# KiCad board ENV_KB_RP2040.kicad_pcb (continued)
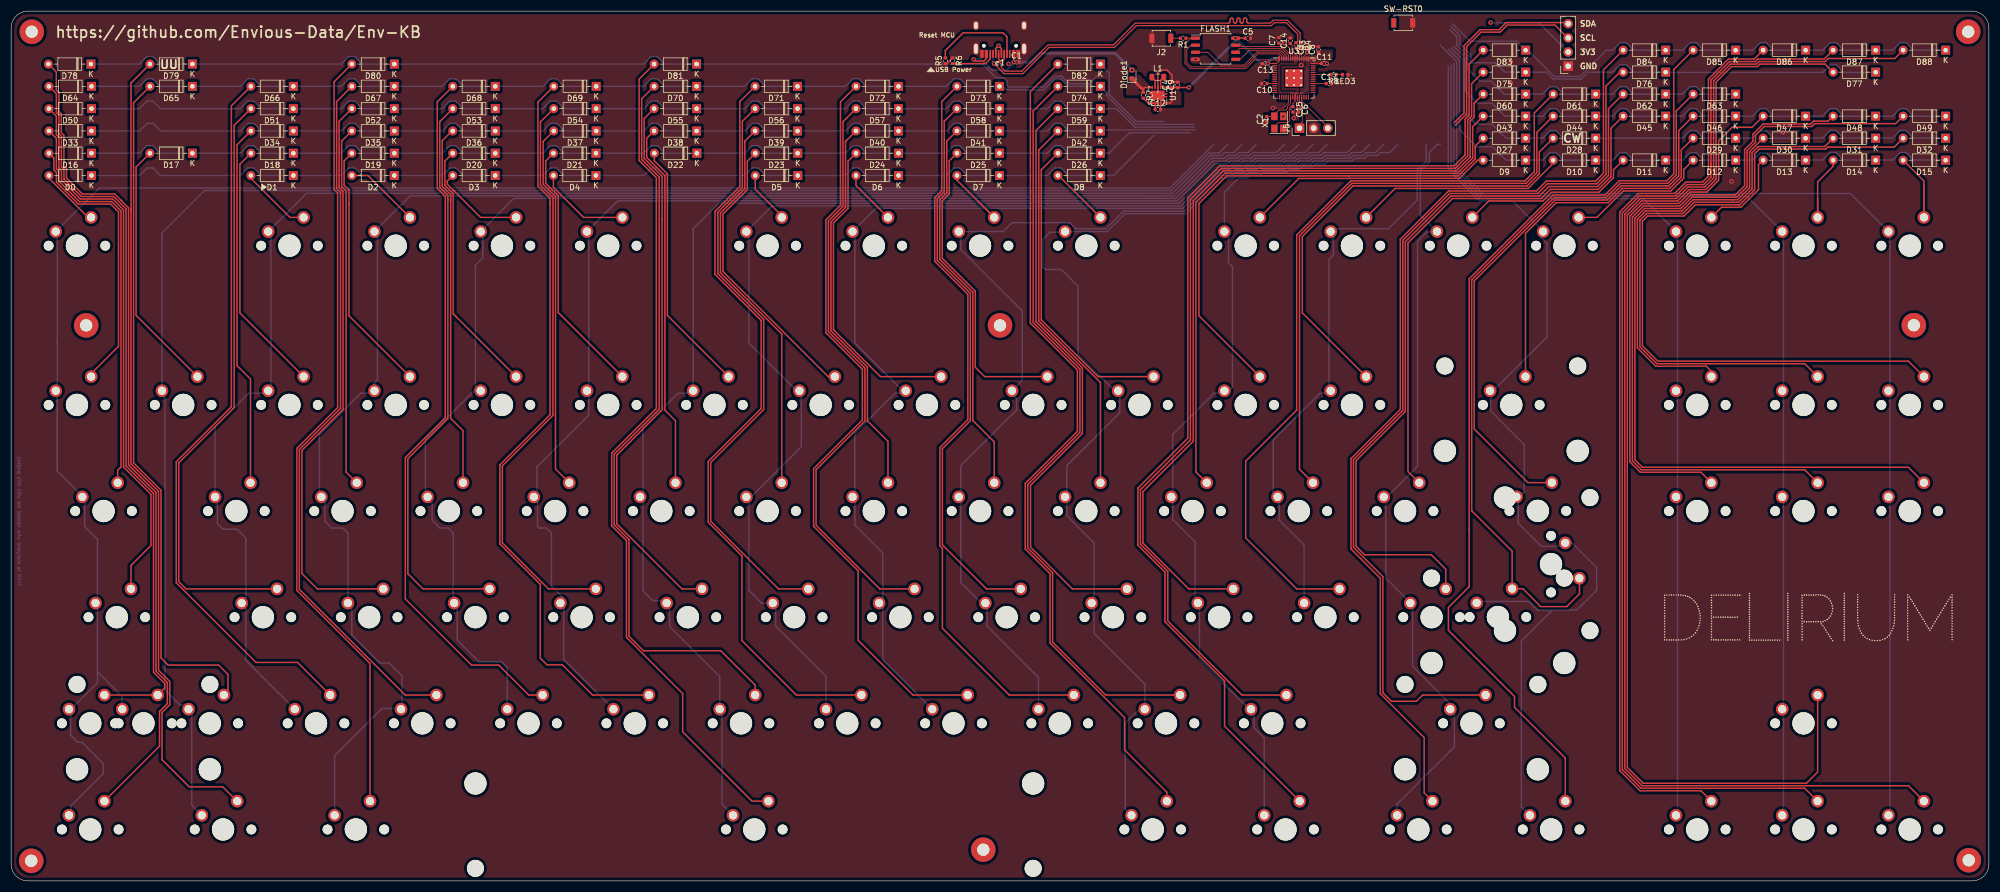
[diagram p0: board, top side]
## Nets (continued)
Net-(D19-Pad2): D19.2 K_19.2
Net-(D20-Pad2): D20.2 K_20.2
Net-(D21-Pad2): D21.2 K_21.2
Net-(D22-Pad2): D22.2 K_22.2
Net-(D23-Pad2): D23.2 K_23.2
Net-(D24-Pad2): D24.2 K_24.2
Net-(D25-Pad2): D25.2 K_25.2
Net-(D26-Pad2): D26.2 K_26.2
Net-(D27-Pad2): D27.2 K_27.2
Net-(D28-Pad2): D28.2 K_28.2
Net-(D29-Pad2): D29.2 K_29.2
Net-(D30-Pad2): D30.2 K_30.2
Net-(D31-Pad2): D31.2 K_31.2
Net-(D32-Pad2): D32.2 K_32.2
Net-(D33-Pad2): D33.2 K_33.2
Net-(D34-Pad2): D34.2 K_34.2
Net-(D35-Pad2): D35.2 K_35.2
Net-(D36-Pad2): D36.2 K_36.2
Net-(D37-Pad2): D37.2 K_37.2
Net-(D38-Pad2): D38.2 K_38.2
Net-(D39-Pad2): D39.2 K_39.2
Net-(D40-Pad2): D40.2 K_40.2
Net-(D41-Pad2): D41.2 K_41.2
Net-(D42-Pad2): D42.2 K_42.2
Net-(D43-Pad2): D43.2 K_43.2
Net-(D44-Pad2): D44.2 K_44.2
Net-(D45-Pad2): D45.2 K_45.2
Net-(D46-Pad2): D46.2 K_46.2
Net-(D47-Pad2): D47.2 K_47.2
Net-(D48-Pad2): D48.2 K_48.2
Net-(D49-Pad2): D49.2 K_49.2
Net-(D50-Pad2): D50.2 K_50.2
Net-(D51-Pad2): D51.2 K_51.2
Net-(D52-Pad2): D52.2 K_52.2
Net-(D53-Pad2): D53.2 K_53.2
Net-(D54-Pad2): D54.2 K_54.2
Net-(D55-Pad2): D55.2 K_55.2
Net-(D56-Pad2): D56.2 K_56.2
Net-(D57-Pad2): D57.2 K_57.2
Net-(D58-Pad2): D58.2 K_58.2
Net-(D59-Pad2): D59.2 K_59.2
Net-(D60-Pad2): D60.2 K_60.2
Net-(D61-Pad2): D61.2 K_61.2
Net-(D62-Pad2): D62.2 K_62.2
Net-(D63-Pad2): D63.2 K_63.2 K_63B1.2
Net-(D64-Pad2): D64.2 K_64.2 K_64B1.2
Net-(D65-Pad2): D65.2 K_65.2
Net-(D66-Pad2): D66.2 K_66.2
Net-(D67-Pad2): D67.2 K_67.2
Net-(D68-Pad2): D68.2 K_68.2
Net-(D69-Pad2): D69.2 K_69.2
Net-(D70-Pad2): D70.2 K_70.2
Net-(D71-Pad2): D71.2 K_71.2
Net-(D72-Pad2): D72.2 K_72.2
Net-(D73-Pad2): D73.2 K_73.2
Net-(D74-Pad2): D74.2 K_74.2
Net-(D75-Pad2): D75.2 K_75.2
Net-(D76-Pad2): D76.2 K_76.2
Net-(D77-Pad2): D77.2 K_77.2
Net-(D78-Pad2): D78.2 K_78.2
Net-(D79-Pad2): D79.2 K_79.2
Net-(D80-Pad2): D80.2 K_80.2
Net-(D81-Pad2): D81.2 K_81.2
Net-(D82-Pad2): D82.2 K_82.2
Net-(D83-Pad2): D83.2 K_83.2
Net-(D84-Pad2): D84.2 K_84.2
Net-(D85-Pad2): D85.2 K_85.2
Net-(D86-Pad2): D86.2 K_86.2
Net-(D87-Pad2): D87.2 K_87.2
Net-(D88-Pad2): D88.2 K_88.2
Net-(e1-Pad3): e1.3
Net-(e1-Pad9): e1.9
Net-(L1-Pad1): L1.1 U1.4
Net-(L1-Pad2): L1.2 U1.2
Net-(LED3-Pad2): LED3.2 R8.1
Net-(R3-Pad2): R3.2 U3.47
Net-(R4-Pad2): R4.2 U3.46
Net-(R5-Pad2): e1.4 R5.2
Net-(R6-Pad2): e1.10 R6.2
Net-(X1-Pad1): X1.1

Pads without a net: H0 1; H1 1; H3 1; H4 1; H6 1; H7 1; H9 1; H10 1

## Via types
v1: diameter 0.8, hole 0.4, Top to Bottom, 25 vias

## Routing (per net, layer and track width the routed paths; a pad name or vN(x,y) marks a point on that pad's centre or on a via; arc(x,y) is an arc through that point)
3.3V: length 16.1
  Top w0.25: 265.24,154.03 v1(265.26,154.04)
  Bottom w0.25: I2CHeader0.2 273.91,154.03 265.28,154.03 v1(265.26,154.04)
3V3_EN: length 4.1
  Top w0.25: U1.8 U1.6 203.88,139.6 R7.2 ; U1.7 205.12,139.58 205.12,138.43
+1V1: length 21.2
  Top w0.127: v1(230.82,138.93) 230.82,139.38 230.6,139.6 230.6,140.66 ; 227.3,150.32 v1(228.32,150.32) 228.35,150.32 229.2,149.47 229.2,148.95 229.8,148.35 U3.50 ; U3.45 231.8,148.02 232.4,148.62 v1(232.4,148.72)
  Bottom w0.127: v1(228.32,150.32) 229.92,148.72 v1(232.4,148.72) ; v1(231.3,146.43) 231.6,146.43 232.32,145.7 232.32,142.18 230.82,140.68 v1(230.82,138.93)
+3V3: length 65.8
  Top w0.127: 229.65,149.05 229.65,149.27 ; 229.65,149.05 230.06,148.64 ; 229.65,149.05 229.65,150.02 C14.1 ; 233.44,146.7 C11.1 ; 230.6,141.4 230.46,141.4 230.2,141.14 U3.22 230.2,139.9 229.82,139.52 C15.1 229.43,138.95 229.2,138.72 229.2,136.38 228.95,136.12 227.22,136.12 226.5,135.4 X1.4 ; 230.6,141.4 231.57,141.4 ; 230.6,141.4 229.32,141.4 ; C8.1 234.4,148.27 v1(233.6,147.47) 233.54,147.54 U3.44 ; 226.56,146.7 v1(225.33,146.7) ; 230.06,148.64 230.2,148.5 U3.49 ; 230.06,148.64 230.6,148.1 230.6,147.54 ; 227.12,143.1 U3.10 C10.1 ; C17.1 U3.33
  Top w0.25: C4.1 208.15,139.9 207.85,139.6 U1.10 ; 209.32,142.41 208.3,142.41 208.29,142.4 U1.1 ; C9.1 v1(211.17,142.39) ; FLASH1.8 221.26,151.25 C5.1
  Bottom w0.127: v1(225.33,146.7) 225.33,146.7
  Bottom w0.5: v1(233.6,147.47) 233.5,147.57 226.05,147.57 225.33,146.85 v1(225.33,146.7) 224.07,146.7 v1(219.52,151.25) 219.52,150.75 v1(211.17,142.39)
GND: length 21.8
  Top w0.127: v1(226.25,138.7) 228.09,138.7 229,139.61 U3.19 ; C3.2 C8.2
  Top w0.25: C1.2 180.73,148.22 180.52,148.43 ; C9.2 C4.2 208.15,144.62 207.25,145.52 206,145.52 205.6,145.12 U1.3 U1.11 206.1,140.5 U1.9 206.08,139.58 C12.2 ; 168.8,147.71 167.78,146.69 R5.1
  vias: v1(212.38,147.45) v1(228.1,137.18) v1(229.95,136.9) v1(235.93,146.7) v1(268.9,147.05) v1(268.9,143.18) v1(308.45,125.55) v1(317.69,134.34)
VBUS: length 41.9
  Top w0.25: v1(179.77,146.95) 179.77,148.41 179.75,148.43 ; 174.85,148.43 174.85,147.59 174.4,147.14 172.88,147.14 v1(172.57,147.45) ; U1.5 203.25,142.4 203,142.15 R7.1
  Top w0.5: 203,142.15 202.76,142.15 Diode1.1
  Bottom w0.25: v1(179.77,146.95) 179.77,146.75 178.5,145.47 175.89,145.47 173.91,147.45 v1(172.57,147.45)
  Bottom w0.5: v1(179.77,146.95) 182.9,146.95 184.48,148.52 197.95,148.52 v1(200.95,145.52)
(no net):
  vias: v1(178.82,146.62)
/GPIO25: length 3.2
  Top w0.127: 233.44,144.7 R8.2
/QSPI_SCLK: length 10.9
  Top w0.127: FLASH1.6 220.24,149.4 227.82,149.4 229,148.23 U3.52
/QSPI_SD0: length 10.7
  Top w0.127: FLASH1.5 220.35,147.44 221.98,149.08 227.69,149.08 228.6,148.16 228.6,147.54
/QSPI_SD1: length 23.2
  Top w0.127: U3.55 227.8,148.02 227.4,148.42 223.52,148.42 221.2,146.1 211.55,146.1 210.8,146.85 210.8,149.24 211.55,149.99 FLASH1.2
/QSPI_SD2: length 18.6
  Top w0.127: FLASH1.3 214.56,148.72 216.85,146.43 221.06,146.43 223.39,148.75 227.55,148.75 228.2,148.1 U3.54
/QSPI_SD3: length 11.3
  Top w0.127: FLASH1.7 220.35,149.99 220.6,149.73 227.96,149.73 229.4,148.29 U3.51
/QSPI_SS: length 27.4
  Top w0.127: 210.63,151.25 210.63,151.25 FLASH1.1 211.55,151.25 210.47,150.18 210.47,146.71 211.42,145.77 221.33,145.77 222.93,147.36 226.78,147.36 227.27,146.88 227.27,148.1 227.4,147.96 U3.56
/SWCLK: length 6
  Top w0.127: J5.1 231,135.8 231.52,136.32 231.52,139.3 231,139.82 U3.24
/SWD: length 8
  Top w0.127: 236.08,135.62 J5.3 236.08,135.3 231.4,139.97 U3.25
/USB_D+: length 68.6
  Top w0.2: v1(176.23,146.68) 178.02,144.88 181.39,144.88 186.12,149.6 197.84,149.6 201.74,153.5 225.94,153.5 226.47,154.03 228.63,154.03 230.68,151.98 230.68,150.7 230.4,150.43
  Top w0.25: 177.55,148.43 177.55,149.39 v1(177.04,149.9) 176.55,149.41 176.55,148.43
  Bottom w0.25: v1(177.04,149.9) 176.64,149.5 176.64,149.49 175.98,148.82 175.98,146.93 v1(176.23,146.68)
/USB_D-: length 68.6
  Top w0.2: v1(177.55,146.97) 177.55,145.99 178.21,145.32 181.21,145.32 185.93,150.05 197.66,150.05 201.56,153.95 218.25,153.95 218.32,153.96 218.38,153.98 218.44,154.02 218.48,154.06 218.52,154.12 218.54,154.18 218.55,154.25 218.55,154.55 218.56,154.62 218.58,154.68 218.62,154.74 218.66,154.78 218.72,154.82 218.78,154.84 218.85,154.85 218.92,154.84 218.98,154.82 219.04,154.78 219.08,154.74 219.12,154.68 219.14,154.62 219.15,154.55 219.15,154.25 219.16,154.18 219.18,154.12 219.22,154.06 219.26,154.02 219.32,153.98 219.38,153.96 219.45,153.95 219.52,153.96 219.58,153.98 219.64,154.02 219.68,154.06 219.72,154.12 219.74,154.18 219.75,154.25 219.75,154.55 219.76,154.62 219.78,154.68 219.82,154.74 219.86,154.78 219.92,154.82 219.98,154.84 220.05,154.85 220.12,154.84 220.18,154.82 220.24,154.78 220.28,154.74 220.32,154.68 220.34,154.62 220.35,154.55 220.35,154.25 220.36,154.18 220.38,154.12 220.42,154.06 220.46,154.02 220.52,153.98 220.58,153.96 220.65,153.95 220.72,153.96 220.78,153.98 220.84,154.02 220.88,154.06 220.92,154.12 220.94,154.18 220.95,154.25 220.95,154.55 220.96,154.62 220.98,154.68 221.02,154.74 221.06,154.78 221.12,154.82 221.18,154.84 221.25,154.85 221.32,154.84 221.38,154.82 221.44,154.78 221.48,154.74 221.52,154.68 221.54,154.62 221.55,154.55 221.55,154.25 221.56,154.18 221.58,154.12 221.62,154.06 221.66,154.02 221.72,153.98 221.78,153.96 221.85,153.95 225.76,153.95 226.28,154.47 228.82,154.47 231.12,152.17 231.12,150.7 231.4,150.43
  Top w0.25: 177.05,148.43 177.05,147.47 v1(177.55,146.97) 178.05,147.47 178.05,148.43
/XIN: length 6.8
  Top w0.127: U3.20 229.4,139.55 228.87,139.02 228.87,138.65 228.57,138.35 227.3,138.35 226.5,137.55 X1.3 225.14,137.22 C2.2
/~{USB_BOOT}: length 1.8
  Top w0.127: R1.2 207.95,151.25 J2.1
col0: length 354
  Bottom w0.25: K_50.1 15.17,49.87 15.48,50.17 ; K_64B1.1 19.92,33.09 15.48,37.53 ; K_78.1 10.68,12.07 10.68,13.42 16.53,19.28 16.53,21.03 12.68,24.88 11.93,24.88 10.68,26.12 10.68,30.73 15.48,35.53 15.48,37.53 ; 15.48,37.53 15.48,50.17 ; 15.48,50.17 15.48,61.32 13.18,63.62 13.18,68.62 8.28,73.53 ; 8.28,96.42 8.28,97.33 ; 8.28,96.42 8.28,73.53 ; 8.28,96.42 8.28,116.52 ; 8.28,73.53 8.28,88.02 8.22,87.97 K_16.1 ; K_0.1 15.8,124.35 207.78,124.35 215.62,132.19
col1: length 305.1
  Bottom w0.25: 26.97,87.22 27.58,86.62 27.58,34.22 30.28,31.53 31.28,31.53 32.38,30.42 32.38,13.57 K_79.1 ; K_17.1 27.04,116.29 34.65,123.9 207.99,123.9 214.75,130.66 216.63,130.66 218.16,132.19
col2: length 280.7
  Bottom w0.25: 42.08,49.9 42.04,49.87 K_51.1 ; 42.08,49.9 42.08,39.59 K_66.1 ; 42.08,49.9 42.08,61.03 ; K_34.1 36.56,81.51 42.58,87.53 45.14,87.53 46.58,88.96 46.58,116.12 46.48,116.22 ; 42.08,61.03 42.08,61.37 ; 42.08,61.03 42.08,61.53 40.48,63.12 37.98,63.12 36.98,64.12 36.98,68.53 36.58,68.92 ; 220.69,132.19 219.23,130.72 217.54,130.72 217.03,130.21 215,130.21 208.19,123.4 52.95,123.4 K_1.1
col3: length 290.3
  Bottom w0.25: 70.08,31.53 70.08,36.78 67.75,39.1 66.1,39.1 61.08,44.12 61.08,48.72 60.38,49.42 K_52.1 ; 55.28,68.82 55.28,80.12 62.67,87.53 64.19,87.53 65.28,88.61 ; K_80.1 58,22.45 66.48,30.92 69.48,30.92 ; 65.14,89.39 65.67,89.92 65.67,116 K_2.1 71.55,122.95 208.51,122.95 215.25,129.7 217.54,129.7 218.05,130.21 219.57,130.21 220.08,130.72 221.76,130.72 223.24,132.19 ; 65.14,89.39 65.14,88.66 ; 65.14,89.39 K_19.1 ; 60.28,49.92 60.38,50.03 60.38,62.42 59.48,63.32 57.48,63.32 56.28,64.53 56.28,68.32 55.67,68.92
col4: length 252.6
  Bottom w0.25: 74.28,68.22 74.28,79.22 83.24,88.19 83.24,110.49 84.58,111.83 84.58,116.22 84.28,116.52 ; 79.28,62.27 79.28,62.42 78.38,63.32 76.88,63.32 75.48,64.72 75.48,68.03 74.67,68.82 74.78,68.82 ; K_68.1 88.95,38.31 87.93,39.32 83.88,39.32 79.98,43.22 79.98,49.22 79.43,49.77 K_53.1 ; 79.28,49.62 79.28,62.22 ; 228.31,132.19 226.84,130.72 222.62,130.72 222.11,130.21 220.33,130.21 219.83,129.7 218.3,129.7 217.8,129.19 215.51,129.19 208.82,122.5 206.25,122.5 ; 203.75,122.5 204.85,122.5 ; 203.75,122.5 206.25,122.5 ; 203.75,122.5 200.3,122.5 135.87,122.5 90.15,122.5 K_3.1 ; 205.5,122.5 206.25,122.5
col5: length 231.2
  Bottom w0.25: K_37.1 93.79,68.91 94.38,68.32 94.38,63.62 94.67,63.32 95.98,63.32 96.88,62.42 96.88,52.92 99.27,50.53 99.27,49.53 99.08,49.32 99.08,39.74 K_69.1 ; 103.58,87.92 103.58,83.62 94.27,74.32 94.27,69.42 93.77,68.92 ; 103.58,87.92 103.54,87.97 K_21.1 ; 103.58,87.92 103.58,116.22 103.27,116.52 ; K_4.1 108.75,122.05 209.13,122.05 215.76,128.68 218.05,128.68 218.56,129.19 220.08,129.19 220.59,129.7 222.37,129.7 222.88,130.21 227.19,130.21 227.7,130.72 229.38,130.72 230.85,132.19
col6: length 234.6
  Bottom w0.25: 121.34,87.53 119.58,87.53 113.27,81.22 113.27,68.92 ; K_81.1 127.48,13.72 127.48,30.39 K_70.1 127.05,36.65 118.08,45.62 118.08,48.72 116.5,50.3 115.05,50.3 113.27,52.08 113.27,68.92 ; 113.27,68.92 113.27,68.91 K_38.1 ; 233.39,132.19 231.93,130.72 230.24,130.72 229.73,130.21 227.95,130.21 227.45,129.7 223.13,129.7 222.62,129.19 220.84,129.19 220.33,128.68 218.81,128.68 218.3,128.18 216.02,128.18 209.44,121.6 126.85,121.6 122.29,117.04 K_22.1
col7: length 209.6
  Bottom w0.25: K_71.1 146.1,36.7 137.08,45.72 137.08,48.72 135.97,49.83 134.58,49.83 132.27,52.13 132.27,68.53 141.68,77.92 141.68,87.12 132.27,96.52 132.27,115.52 ; K_5.1 136.42,121.15 209.75,121.15 216.27,127.67 218.56,127.67 219.06,128.18 220.59,128.18 221.1,128.68 222.88,128.68 223.38,129.19 227.7,129.19 228.21,129.7 229.99,129.7 230.5,130.21 232.27,130.21 232.78,130.72 234.46,130.72 235.94,132.19
col8: length 197.6
  Bottom w0.25: 151.27,116.52 151.27,96.52 159.68,88.12 159.68,87.92 159.27,87.53 ; 159.27,87.53 158.48,87.53 151.27,80.32 151.27,68.92 ; 159.27,87.53 160.27,87.53 ; K_57.1 156.26,49.87 156.27,49.88 ; 151.27,68.92 151.26,68.91 K_40.1 ; 151.27,68.92 151.27,63.82 156.27,58.82 156.27,49.88 ; 156.27,49.88 156.27,39.69 K_72.1 ; 241.01,132.19 239.55,130.72 235.32,130.72 234.81,130.21 233.03,130.21 232.53,129.7 230.75,129.7 230.24,129.19 228.46,129.19 227.95,128.68 223.64,128.68 223.13,128.18 221.35,128.18 220.84,127.67 219.32,127.67 218.81,127.16 216.52,127.16 210.07,120.7 155.02,120.7 K_6.1
col9: length 182.8
  Bottom w0.25: K_25.1 181.3,89.83 181.3,102.3 170.27,113.33 170.27,115.52 ; 170.27,68.95 170.27,53.53 174.98,48.82 174.98,45.72 184.2,36.5 K_73.1 ; 170.27,68.95 170.27,74.53 180.27,84.53 180.27,86.53 179.27,87.53 180.27,88.52 ; 170.27,68.95 170.24,68.91 K_41.1 ; 243.56,132.19 242.08,130.72 240.4,130.72 239.89,130.21 235.57,130.21 235.07,129.7 233.29,129.7 232.78,129.19 231,129.19 230.5,128.68 228.72,128.68 228.21,128.18 223.89,128.18 223.38,127.67 221.6,127.67 221.1,127.16 219.57,127.16 219.06,126.65 216.78,126.65 210.33,120.2 199.45,120.2 196.27,117.02 190.88,117.02 189.76,118.14 179.5,118.14 177.88,116.53 169.92,116.53 K_7.1
col10: length 191.9
  Bottom w0.25: 188.88,116.42 186.27,116.42 185.07,115.22 185.07,110.12 185.48,109.72 188.27,109.72 191.27,106.72 191.27,94.52 198.77,87.03 198.77,84.03 189.27,74.53 189.27,68.92 ; 189.27,68.92 189.26,68.91 K_42.1 ; 189.27,68.92 189.27,65.53 194.18,60.62 194.18,49.88 ; K_82.1 199.75,12.89 199.75,28.3 201.98,30.53 203.27,30.53 203.27,35.32 194.18,44.42 194.18,49.88 ; 194.18,49.88 194.17,49.87 K_59.1 ; K_8.1 196.54,116.54 199.75,119.75 210.64,119.75 217.03,126.14 219.32,126.14 219.83,126.65 221.35,126.65 221.86,127.16 223.64,127.16 224.14,127.67 228.46,127.67 228.97,128.18 230.75,128.18 231.26,128.68 233.03,128.68 233.54,129.19 235.32,129.19 235.83,129.7 240.15,129.7 240.65,130.21 242.43,130.21 242.94,130.72 244.62,130.72 246.09,132.19
col11: length 159.7
  Bottom w0.25: 222.88,30.53 222.88,27.42 224.68,25.62 K_83.1 ; 208.27,68.95 208.27,64.82 212.27,60.82 212.27,49.53 213.07,48.72 213.07,39.72 222.27,30.53 ; 208.27,68.95 208.24,68.91 K_43.1 ; 208.27,68.95 208.27,80.12 215.68,87.53 217.12,87.53 217.52,87.92 ; K_27.1 218.31,87.97 218.98,88.62 218.98,110.22 218.27,110.92 218.27,115.52 217.27,116.52 ; 248.63,132.19 247.16,130.72 245.48,130.72 244.97,130.21 243.19,130.21 242.69,129.7 240.91,129.7 240.4,129.19 236.08,129.19 235.57,128.68 233.8,128.68 233.29,128.18 231.51,128.18 231,127.67 229.22,127.67 228.72,127.16 224.4,127.16 223.89,126.65 222.11,126.65 221.6,126.14 220.08,126.14 217.54,123.6 K_9.1
col12: length 103.2
  Bottom w0.25: K_10.1 237.08,117.03 246.94,117.03 252.1,122.2 252.1,127.53 253.71,129.14 253.71,132.19 ; K_61.1 231.83,60.27 227.38,64.72 227.38,68.12 226.27,69.22 226.27,79.12 234.68,87.53 236.27,87.53 236.27,111.52 237.07,112.33 237.07,115.72 236.27,116.52
col13: length 137.3
  Bottom w0.25: K_11.1 252.65,119.52 252.65,127.41 254.3,129.06 254.3,130.76 255.71,132.19 256.25,132.19 ; 255.27,116.52 253.88,116.52 252.18,114.83 252.18,74.42 246.47,68.72 246.47,54.32 251.27,49.53 251.27,38.53 258.77,31.03 258.77,24.07 248.47,13.78 248.47,11.72
col14: length 186.6
  Bottom w0.25: K_85.1 270.77,13.3 270.77,43.03 276.38,48.62 ; 275.27,116.52 274.27,116.52 274.27,115.52 275.38,114.42 275.38,97.62 265.27,87.53 265.27,84.32 271.29,78.31 271.29,69.81 270.2,68.71 270.2,64.2 274.35,60.05 277.47,60.05 278.08,60.66 278.65,60.66 ; 279.27,61.22 284.27,56.22 284.27,52.15 280.75,48.62 276.38,48.62 ; 276.38,48.62 273.65,48.62 272.12,50.15 263.05,50.15 262.79,49.89 ; 278.7,60.65 278.7,60.97 ; 270.18,69.08 270.18,68.92 ; K_12.1 269.21,122.02 263.33,122.02 257.67,127.67 257.67,146.21
col15: length 168.3
  Bottom w0.25: 298.77,68.88 298.77,87.97 ; 298.77,68.88 298.74,68.91 K_47.1 ; 298.77,68.88 298.77,12.04 K_86.1 ; 298.77,87.97 298.76,87.97 K_30.1 ; 298.77,87.97 298.77,115.02 298.27,115.52 ; K_13.1 292.58,122.47 263.51,122.47 258.18,127.8 258.18,146.46
col16: length 189.2
  Bottom w0.25: 317.77,12.92 317.77,11.99 K_87.1 ; 317.77,12.92 317.77,11.95 317.6,11.78 317.6,11.72 ; 317.77,12.92 317.77,30.82 ; 317.77,30.82 317.77,68.03 317.27,68.53 317.77,69.03 317.77,87.03 317.27,87.53 ; 317.77,30.82 317.76,30.81 K_77.1 ; K_31.1 317.77,88.19 317.77,116.02 317.27,116.52 ; K_14.1 311.18,122.92 263.7,122.92 258.69,127.92 258.69,146.72
col17: length 211.4
  Bottom w0.25: K_88.1 336.88,12.04 336.88,67.92 336.27,68.53 336.88,69.12 336.88,86.92 336.27,87.53 336.88,88.12 336.88,115.92 336.27,116.52 ; 256.25,149.97 259.2,147.02 259.2,128.05 263.89,123.37 287.42,123.37 287.43,123.38 329.77,123.38 K_15.1
I2CSCL: length 35.9
  Top w0.25: 258.95,135.62 260.96,137.63 260.96,149.72 263.56,152.32 266.97,152.32 268.25,153.6 276.8,153.6 279.27,151.12
I2CSDA: length 35
  Top w0.25: 279.18,153.82 278.95,154.05 268.05,154.05 266.77,152.78 263.38,152.78 260.51,149.91 260.51,137.83 258.75,136.07
row0: length 316
  Bottom w0.25: 346.85,129.38 341.1,129.38 339.75,130.72 338.7,130.72 337.35,129.38 328.55,129.38 327.2,130.72 326.15,130.72 324.8,129.38 321.75,129.38 ; D13.1 316,129.35 314.65,130.7 313.6,130.7 312.25,129.35 D12.1 303.45,129.35 302.1,130.7 301.05,130.7 299.7,129.35 D11.1 290.9,129.35 289.55,130.7 288.5,130.7 287.15,129.35 D10.1 278.35,129.35 277,130.7 275.95,130.7 274.6,129.35 D9.1 268.02,129.35 265.6,131.77 262.77,131.77 259.7,134.84 259.7,147.22 257.67,149.26 ; D0.1 23,126.6 24.35,127.95 25.4,127.95 26.75,126.6 41.1,126.6 42.45,127.95 43.5,127.95 44.85,126.6 D1.1 59.2,126.6 60.55,127.95 61.6,127.95 62.95,126.6 D2.1 77.3,126.6 78.65,127.95 79.7,127.95 81.05,126.6 D3.1 ; 141.05,126.6 135.3,126.6 133.95,127.95 132.9,127.95 131.55,126.6 117.2,126.6 115.85,127.95 114.8,127.95 113.45,126.6 D4.1 99.1,126.6 97.75,127.95 96.7,127.95 95.35,126.6 86.75,126.6 ; 141,126.6 149.6,126.6 150.95,127.95 152,127.95 153.35,126.6 D6.1 167.7,126.6 169.05,127.95 170.1,127.95 171.45,126.6 D7.1 185.8,126.6 187.15,127.95 188.2,127.95 189.55,126.6 D8.1 197.65,126.6 204.81,133.76
row2: length 316.2
  Bottom w0.25: 346.85,133.32 341.1,133.32 339.75,134.68 338.7,134.68 337.35,133.32 328.55,133.32 327.2,134.68 326.15,134.68 324.8,133.32 321.75,133.32 ; D30.1 316,133.3 314.65,134.65 313.6,134.65 312.25,133.3 D29.1 303.45,133.3 302.1,134.65 301.05,134.65 299.7,133.3 D28.1 278.35,133.3 277,134.65 275.95,134.65 274.6,133.3 D27.1 268.02,133.3 265.52,135.8 262.65,135.8 260.21,138.24 260.21,147.48 258.18,149.51 ; 86.75,130.6 95.35,130.6 96.7,131.95 97.75,131.95 99.1,130.6 D21.1 113.45,130.6 114.8,131.95 115.85,131.95 117.2,130.6 131.55,130.6 132.9,131.95 133.95,131.95 135.3,130.6 141.05,130.6 ; 141,130.6 149.6,130.6 150.95,131.95 152,131.95 153.35,130.6 D24.1 167.7,130.6 169.05,131.95 170.1,131.95 171.45,130.6 D25.1 185.8,130.6 187.15,131.95 188.2,131.95 189.55,130.6 D26.1 196.85,130.6 200.52,134.27 211.43,134.27 ; D16.1 23,130.6 24.35,131.95 25.4,131.95 26.75,130.6 D17.1 41.1,130.6 42.45,131.95 43.5,131.95 44.85,130.6 D18.1 59.2,130.6 60.55,131.95 61.6,131.95 62.95,130.6 D19.1 77.3,130.6 78.65,131.95 79.7,131.95 81.05,130.6 D20.1
row3: length 313.2
  Bottom w0.25: 321.75,137.22 316,137.22 314.65,138.57 313.6,138.57 312.25,137.22 303.45,137.22 302.1,138.57 301.05,138.57 299.7,137.22 290.9,137.22 289.55,138.57 288.5,138.57 287.15,137.22 278.35,137.22 277,138.57 275.95,138.57 274.6,137.22 271.55,137.22 ; D49.1 341.1,137.25 339.75,138.6 338.7,138.6 337.35,137.25 D48.1 328.55,137.25 327.2,138.6 326.15,138.6 324.8,137.25 D47.1 ; 141.05,134.6 149.65,134.6 151,135.95 152.05,135.95 153.4,134.6 167.75,134.6 169.1,135.95 170.15,135.95 171.5,134.6 185.85,134.6 187.2,135.95 188.25,135.95 189.6,134.6 195.35,134.6 ; 195.98,135.28 D42.1 ; 141.1,134.6 135.35,134.6 134,135.95 132.95,135.95 131.6,134.6 117.25,134.6 115.9,135.95 114.85,135.95 113.5,134.6 D37.1 99.15,134.6 97.8,135.95 96.75,135.95 95.4,134.6 D36.1 ; 14.45,134.6 23.05,134.6 24.4,135.95 25.45,135.95 26.8,134.6 41.15,134.6 42.5,135.95 43.55,135.95 44.9,134.6 59.25,134.6 60.6,135.95 61.65,135.95 63,134.6 77.35,134.6 78.7,135.95 79.75,135.95 81.1,134.6 86.85,134.6 ; 258.69,149.76 260.72,147.73 260.72,141.78 262.93,139.57 265.52,139.57 267.85,137.25 D43.1 ; 212.46,134.78 195.98,134.78
row4: length 272.1
  Bottom w0.25: D63.1 303.45,141.2 302.1,142.55 301.05,142.55 299.7,141.2 D62.1 290.9,141.2 289.55,142.55 288.5,142.55 287.15,141.2 D61.1 278.35,141.2 277,142.55 275.95,142.55 274.6,141.2 D60.1 267.72,141.2 265.4,143.52 263.4,143.52 261.23,145.7 261.23,147.99 259.2,150.02 259.2,151.54 257.93,152.81 ; 86.75,138.6 95.35,138.6 96.7,139.95 97.75,139.95 99.1,138.6 113.45,138.6 114.8,139.95 115.85,139.95 117.2,138.6 131.55,138.6 132.9,139.95 133.95,139.95 135.3,138.6 141.05,138.6 ; D53.1 81.05,138.6 79.7,139.95 78.65,139.95 77.3,138.6 D52.1 62.95,138.6 61.6,139.95 60.55,139.95 59.2,138.6 D51.1 44.85,138.6 43.5,139.95 42.45,139.95 41.1,138.6 26.75,138.6 25.4,139.95 24.35,139.95 23,138.6 D50.1 ; D56.1 149.6,138.6 150.95,139.95 152,139.95 153.35,138.6 D57.1 167.7,138.6 169.05,139.95 170.1,139.95 171.45,138.6 D58.1 185.8,138.6 187.15,139.95 188.2,139.95 189.55,138.6 D59.1 198.15,138.6 201.46,135.29 212.21,135.29
row5: length 296.9
  Bottom w0.25: D64.1 23,142.6 24.35,143.95 25.4,143.95 26.75,142.6 D65.1 41.1,142.6 42.45,143.95 43.5,143.95 44.85,142.6 D66.1 59.2,142.6 60.55,143.95 61.6,143.95 62.95,142.6 D67.1 77.3,142.6 78.65,143.95 79.7,143.95 81.05,142.6 D68.1 ; 86.75,142.6 95.35,142.6 96.7,143.95 97.75,143.95 99.1,142.6 113.45,142.6 114.8,143.95 115.85,143.95 117.2,142.6 131.55,142.6 132.9,143.95 133.95,143.95 135.3,142.6 141.05,142.6 ; D71.1 149.6,142.6 150.95,143.95 152,143.95 153.35,142.6 D72.1 167.7,142.6 169.05,143.95 170.1,143.95 171.45,142.6 D73.1 177.81,142.6 178.43,141.98 185.18,141.98 187.15,143.95 188.2,143.95 189.55,142.6 D74.1 196.45,141.45 196.45,140.95 201.61,135.8 211.95,135.8 ; 258.18,153.32 259.7,151.8 259.7,150.27 261.68,148.3 261.68,147 261.85,146.82 266.12,146.82 267.77,145.18 271.52,145.18 D75.1 275.24,145.15 276.46,143.93 281.51,143.93 282.73,145.15 287.18,145.15 288.52,146.5 289.57,146.5 290.93,145.15 296.68,145.15 ; 334.32,145.1 328.57,145.1 327.22,146.45 326.18,146.45 324.82,145.1 296.7,145.1 D76.1
row6: length 308
  Bottom w0.25: 14.4,146.6 23,146.6 24.35,147.95 25.4,147.95 26.75,146.6 D79.1 59.2,146.6 60.55,147.95 61.6,147.95 62.95,146.6 D80.1 113.4,146.6 114.75,147.95 115.8,147.95 117.15,146.6 D81.1 174.12,146.6 176.57,144.15 177.92,144.15 178.55,143.52 178.55,142.84 178.9,142.49 185.05,142.49 186.96,144.4 188.39,144.4 189.74,143.05 193.29,143.05 195.3,145.06 D82.1 196.9,145 196.9,141.8 ; 258.44,153.83 261.56,150.7 269.95,150.7 D83.1 271.93,149.1 276.64,144.38 281.33,144.38 286.05,149.1 287.18,149.1 288.52,150.45 289.57,150.45 290.93,149.1 299.72,149.1 301.07,150.45 302.12,150.45 303.47,149.1 312.27,149.1 313.62,150.45 314.68,150.45 316.02,149.1 324.82,149.1 326.18,150.45 327.22,150.45 328.57,149.1 334.32,149.1 ; D88.1 341.1,149.1 339.75,150.45 338.7,150.45 337.35,149.1 D87.1 ; 196.9,141.8 196.9,141.64 ; 196.9,141.8 196.9,141.14 201.74,136.3 206.6,136.3
Net-(D0-Pad2): length 11.6
  Top w0.25: 14.93,119.08 K_0.2 13.8,119.08 6.78,126.1 6.78,126.6
Net-(D1-Pad2): length 12.4
  Top w0.25: 42.98,126.1 50,119.08 52.44,119.08
Net-(D2-Pad2): length 13.5
  Top w0.25: K_2.2 63.97,126.6 D2.2
Net-(D3-Pad2): length 18.2
  Top w0.25: 89.5,119.08 K_3.2 84.17,119.08 79.42,123.83 ; 79.42,123.83 79.18,124.07 ; 79.42,123.83 79.41,123.83 78.2,125.04 78.2,125.62 D3.2
Net-(D4-Pad2): length 16.2
  Top w0.25: 97.23,126.1 97.23,124.47 102.62,119.08 K_4.2
Net-(D5-Pad2): length 9
  Top w0.25: K_5.2 138.17,119.38 133.42,124.13 133.42,126.1
Net-(D6-Pad2): length 9.7
  Top w0.25: 157.21,119.33 K_6.2 151.48,124.81 151.48,126.1
Net-(D7-Pad2): length 14.8
  Top w0.25: K_7.2 173.43,121.92 ; K_7.2 176.26,119.23 ; K_7.2 169.58,125.77 D7.2 169.58,126.27
Net-(D8-Pad2): length 10.7
  Top w0.25: 195.31,119.28 K_8.2 188.3,126.1 ; 188.3,126.6 D8.2
Net-(D9-Pad2): length 44.6
  Top w0.25: 240,126.08 240.01,126.09 ; 240,126.08 230.89,126.08 K_9.2 ; 240,126.08 240.01,126.09 ; 240.01,126.09 259.67,126.09 262.93,129.35 D9.2 263.65,129.35
Net-(D10-Pad2): length 38.1
  Top w0.25: K_10.2 248.14,124.28 271.98,124.28 276.48,128.77 D10.2
Net-(D11-Pad2): length 32.1
  Top w0.25: K_11.2 264.94,122.03 274.64,122.03 276.21,123.6 284.69,123.6 287.3,126.21 287.3,127.62 D11.2
Net-(D12-Pad2): length 25.7
  Top w0.25: 281.04,119.08 284.31,119.08 289.05,123.83 297.57,123.83 299.57,125.83 299.57,125.83 299.9,126.15 299.9,127.67 D12.2
Net-(D13-Pad2): length 16.1
  Top w0.25: K_13.2 306.67,120.9 310.12,120.9 313.3,124.08 313.3,128.52 D13.2
Net-(D14-Pad2): length 14.8
  Top w0.25: 323.9,122.5 K_14.2 323.9,125.47 326.68,128.25 D14.2
Net-(D15-Pad2): length 17.7
  Top w0.25: 342.95,125 K_15.2 342.95,125.63 D15.2
Net-(D16-Pad2): length 50.7
  Top w0.25: K_16.2 14.34,91.04 19.25,95.95 19.25,120.05 17.82,121.48 12.04,121.48 8.12,125.4 8.12,127.15 7.66,127.61 7.66,129.72 6.78,130.6
Net-(D17-Pad2): length 45.7
  Top w0.25: D17.2 22.4,128.12 22.4,101.5 K_17.2
Net-(D18-Pad2): length 45.8
  Top w0.25: 52.44,90.5 41.01,101.93 41.01,124.19 ; 41.01,124.19 41.01,124.36 ; 41.01,124.19 41.01,128.63 D18.2
Net-(D19-Pad2): length 45.7
  Top w0.25: K_19.2 60.57,101.43 60.57,121.43 ; 60.57,121.43 60.57,121.57 ; 60.57,121.43 60.57,124 60.55,124 59.7,124.85 59.7,129.22 D19.2
Net-(D20-Pad2): length 46.8
  Top w0.25: 79.92,101.12 79.37,101.68 ; D20.2 77.75,129.17 77.75,124.85 79.25,123.35 79.25,101.79 K_20.2
Net-(D21-Pad2): length 46.4
  Top w0.25: D21.2 95.85,129.22 95.85,125.2 98.1,122.95 98.1,101.99 K_21.2
Net-(D22-Pad2): length 45.6
  Top w0.25: D22.2 115.32,129.23 117.66,126.89 117.66,101.48 K_22.2
Net-(D23-Pad2): length 51.5
  Top w0.25: D23.2 132,129.19 132,124.05 127.63,119.67 127.63,109.38 146.5,90.5 147.69,90.5
Net-(D24-Pad2): length 56.1
  Top w0.25: K_24.2 155.85,90.5 147.44,98.92 147.44,118.09 150.05,120.7 150.05,129.17 D24.2
Net-(D25-Pad2): length 55.6
  Top w0.25: K_25.2 174.55,90.5 172.88,92.17 172.88,105.82 166.95,111.75 166.95,122.05 168.2,123.3 168.2,129.22 D25.2
Net-(D26-Pad2): length 55.5
  Top w0.25: D26.2 184.7,127.62 184.7,100.7 194.89,90.5 K_26.2
Net-(D27-Pad2): length 92.9
  Top w0.25: 239.82,126.53 239.83,126.54 ; 239.82,126.53 217.92,126.53 212.97,121.57 212.97,101.43 K_27.2 ; 239.82,126.53 239.83,126.54 ; 239.83,126.54 258.84,126.54 ; 258.84,126.54 259,126.54 ; 258.84,126.54 259.48,126.54 262.5,129.55 262.5,131.87 D27.2
Net-(D28-Pad2): length 84.4
  Top w0.25: K_28.2 231.51,101.93 231.51,115.66 240.58,124.73 271.8,124.73 274,126.93 274,130.82 D28.2
Net-(D29-Pad2): length 65.7
  Top w0.25: K_29.2 271.51,116.22 277.02,121.72 286.3,121.72 288.85,124.28 297.39,124.28 299.45,126.34 299.45,131.17 D29.2
Net-(D30-Pad2): length 71.6
  Top w0.25: K_30.2 304.85,91.45 303.93,92.37 294.89,92.37 291.59,95.67 291.59,118.75 293.06,120.22 299.54,120.22 301.57,122.25 308.65,122.25 ; 308.65,122.25 309.56,122.25 311.7,124.39 311.7,130.87 D30.2 ; 308.65,122.25 308.8,122.25
Net-(D31-Pad2): length 101.3
  Top w0.25: D31.2 325.18,131.8 313.27,131.8 312.15,130.68 312.15,124.2 309.75,121.8 301.75,121.8 299.73,119.77 293.24,119.77 292.04,118.57 292.04,118.57 292.04,95.86 295.07,92.82 321.58,92.82 K_31.2
Net-(D32-Pad2): length 131.8
  Top w0.25: K_32.2 340.18,93.27 295.26,93.27 292.49,96.05 292.49,118.38 293.43,119.32 299.94,119.32 301.97,121.35 309.93,121.35 312.6,124.02 312.6,130.5 313.45,131.35 325.37,131.35 325.72,131.7 337.63,131.7 D32.2
Net-(D33-Pad2): length 72.9
  Top w0.25: 19.67,72.02 K_33.2 19.1,73.7 19.7,74.3 19.7,120.24 18.01,121.93 12.23,121.93 8.57,125.58 8.57,127.34 8.11,127.8 8.11,133.27 6.78,134.6
Net-(D34-Pad2): length 65.1
  Top w0.25: 40.5,124.6 40.5,92.48 42.92,90.07 K_34.2 ; 40.5,124.63 40.5,132.12 D34.2
Net-(D35-Pad2): length 65.5
  Top w0.25: 61.75,71.67 K_35.2 60.06,73.36 60.06,123.85 59.25,124.66 59.25,132.77 ; 59.25,132.77 59.34,132.86 ; 59.25,132.77 D35.2
Net-(D36-Pad2): length 65.8
  Top w0.25: 78.8,122.2 78.8,83.02 81.02,80.81 K_36.2 ; 78.8,122.2 78.8,122.41 ; 78.8,122.2 78.8,123.16 77.3,124.66 77.3,132.85 79.05,134.6 D36.2
Net-(D37-Pad2): length 65.9
  Top w0.25: D37.2 95.4,132.72 95.4,125.01 97.6,122.81 97.6,73.92 K_37.2
Net-(D38-Pad2): length 65.8
  Top w0.25: K_38.2 119.11,82.58 117.21,84.49 117.21,126.59 113.95,129.85 113.95,133.27 D38.2
Net-(D39-Pad2): length 70.3
  Top w0.25: K_39.2 138.17,98.16 127.17,109.15 127.17,119.86 131.55,124.24 131.55,132.77 D39.2
